# Altium PCB PCB1.PcbDoc (part 5 of 15)
Units mil, origin at the board's own origin, x right, y up, seen from the top; angles counter-clockwise.
Board outline 9210.27 x 4350.4 mil, 4 copper layers (Top Layer, Layer 1, Layer 2, Bottom Layer), stack 23.756 mil thick; 1550 components, 1731 nets, 5200 pads, 1882 vias.
Unrouted connection lines stored in the file: 605.
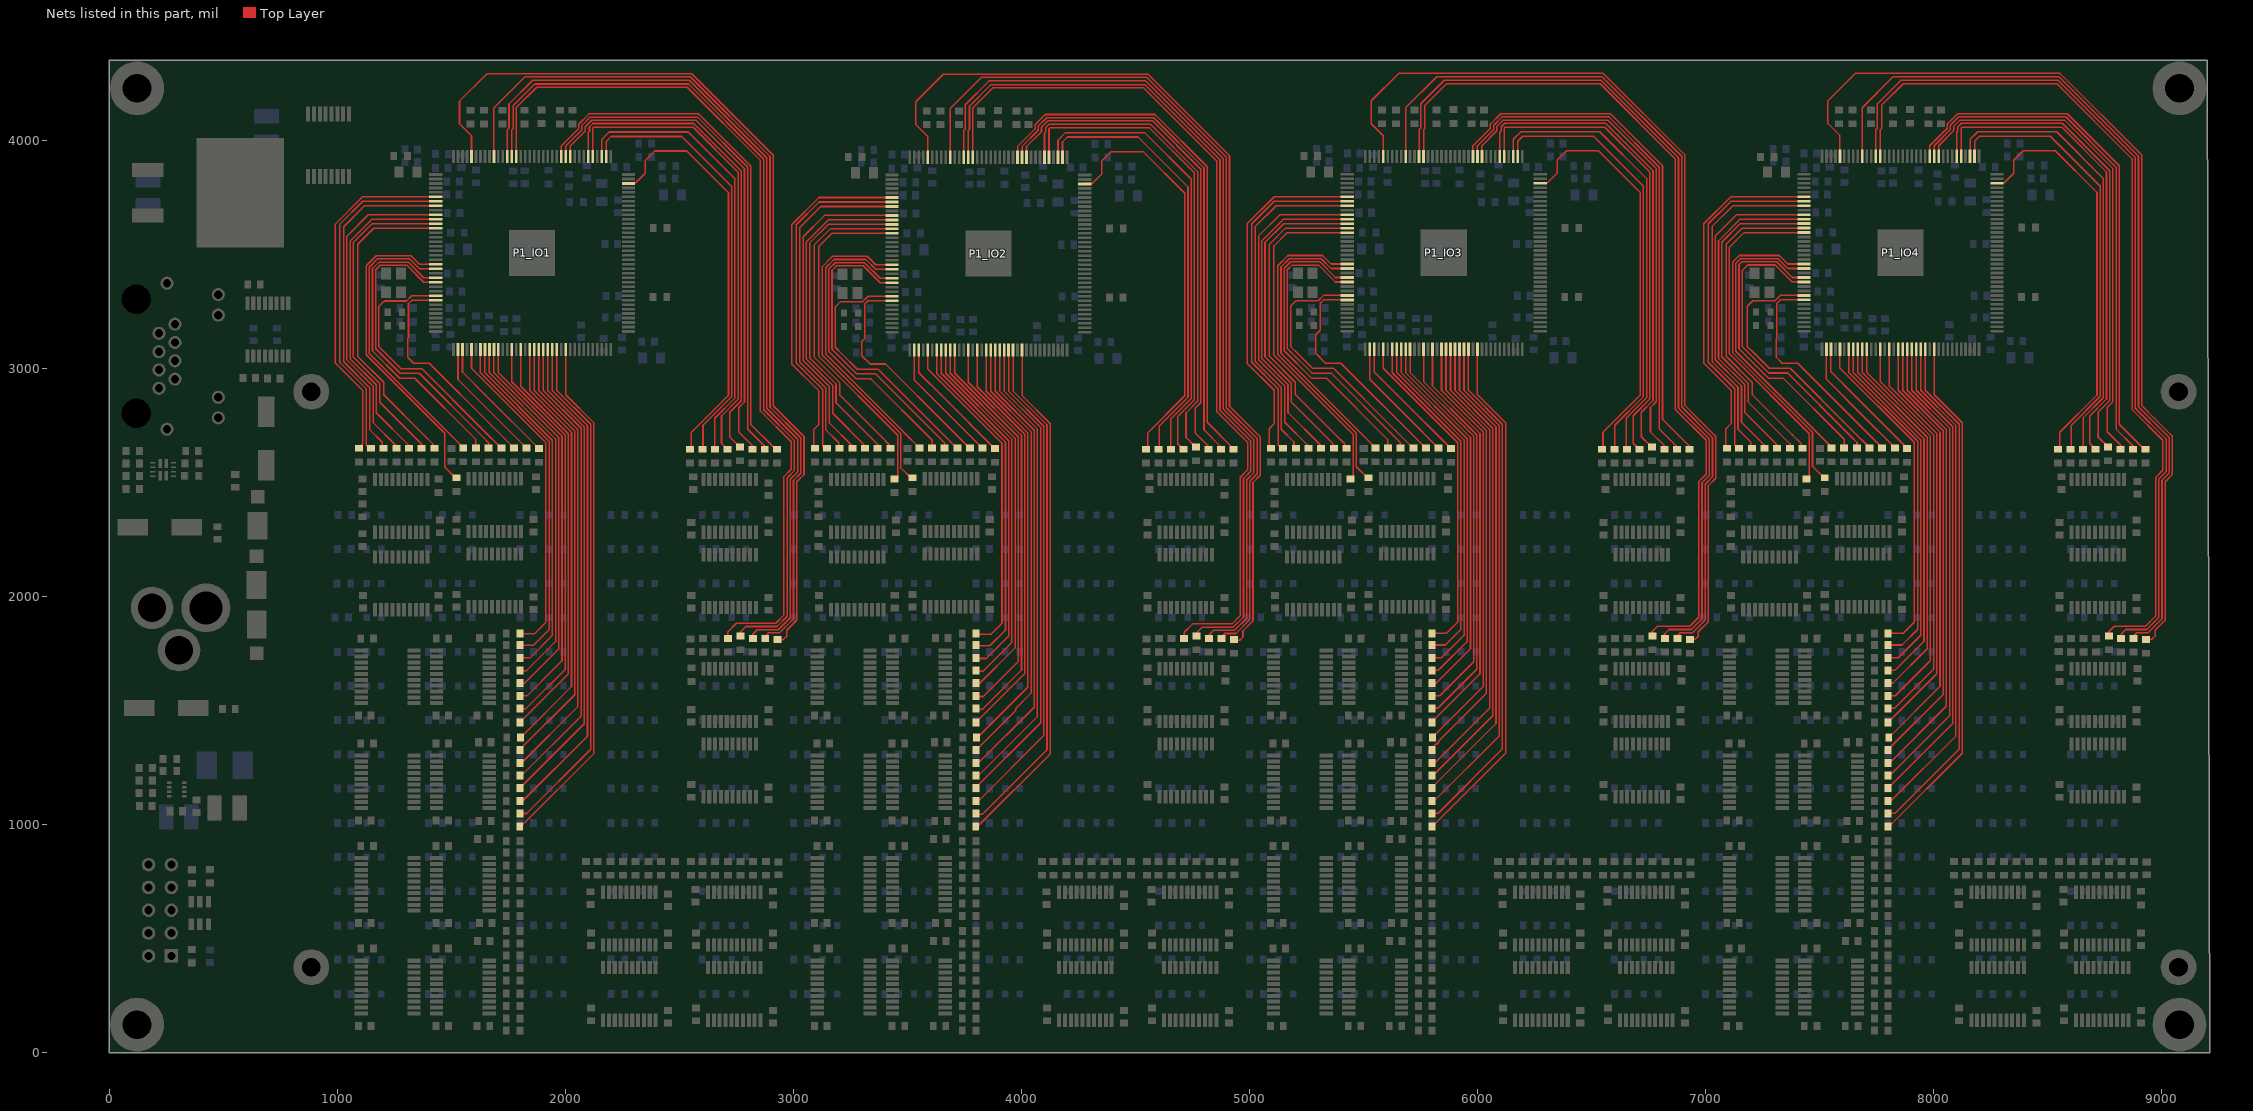
[diagram p7: the nets of this part, all layers, seen from the top]

## Via types
v1: diameter 24, hole 12, Top Layer to Bottom Layer, 1493 vias
v2: diameter 24, hole 12, Top Layer to Bottom Layer, tented both sides, 389 vias

## Nets (pads, with @x,y where several pads share a name; then routed paths per layer and width w, separated by ;. In a path a pad name is that pad's centre, name@x,y a point inside that pad or via, vN(x,y) a via of type N, cw(c..) or ccw(c..) an arc to the next point about the centre after c; other vN are vias at no path point) (continued)
GPIO_0_IO2: P1_IO2.14 R47_U_LED_BUFFER12.2 | length 1532.3
  Top Layer w7: P1_IO2.14@3432.44,3592.09 3169.26,3592.09 3110.51,3533.34 3110.51,3054.48 3457.73,2707.25 3457.73,2529.17 R47_U_LED_BUFFER12.2@3443.9,2515.34 ; R47_U_LED_BUFFER12.2@3445,2512.74 R47_U_LED_BUFFER12.2@3458.06,2525.79
GPIO_0_IO3: P1_IO3.14 R47_U_LED_BUFFER13.2 | length 1515.9
  Top Layer w7: P1_IO3.14@5429.34,3595.54 5166.16,3595.54 5107.41,3536.79 5107.41,3057.93 5454.52,2710.81 5454.52,2525.96 R47_U_LED_BUFFER13.2@5443.9,2515.34
GPIO_0_IO4: P1_IO4.14 R47_U_LED_BUFFER14.2 | length 1520.2
  Top Layer w7: P1_IO4.14@7432.34,3595.69 7169.16,3595.69 7104.72,3531.26 7104.72,3063.76 7455.31,2713.18 7455.31,2526.74 R47_U_LED_BUFFER14.2@7443.9,2515.34
GPIO_1_IO1: P1_IO1.13 R48_U_LED_BUFFER11.2 | length 1404.3
  Top Layer w7: R48_U_LED_BUFFER11.2@1419.52,2647.16 1419.52,2668.28 1380.63,2707.16 1203.15,2884.64 1203.15,2938.87 1089.72,3052.3 1089.72,3544.1 1160,3614.38 P1_IO1.13@1431.34,3614.38
GPIO_1_IO2: P1_IO2.13 R48_U_LED_BUFFER12.2 | length 1404.3
  Top Layer w7: R48_U_LED_BUFFER12.2@3420.62,2644.56 3420.62,2665.68 3381.73,2704.56 3204.25,2882.04 3204.25,2936.27 3090.82,3049.7 3090.82,3541.5 3161.1,3611.78 P1_IO2.13@3432.44,3611.78
GPIO_1_IO3: P1_IO3.13 R48_U_LED_BUFFER13.2 | length 1404.3
  Top Layer w7: R48_U_LED_BUFFER13.2@5417.52,2648.01 5417.52,2669.13 5378.63,2708.01 5201.15,2885.49 5201.15,2939.72 5087.72,3053.15 5087.72,3544.95 5158,3615.23 P1_IO3.13@5429.34,3615.23
GPIO_1_IO4: P1_IO4.13 R48_U_LED_BUFFER14.2 | length 1404.3
  Top Layer w7: R48_U_LED_BUFFER14.2@7420.52,2648.16 7420.52,2669.28 7381.63,2708.16 7204.15,2885.64 7204.15,2939.87 7090.72,3053.3 7090.72,3545.1 7161,3615.38 P1_IO4.13@7432.34,3615.38
GPIO_2_IO1: P1_IO1.12 R49_U_LED_BUFFER11.2 | length 1421.8
  Top Layer w7: R49_U_LED_BUFFER11.2@1369.95,2649.83 1369.95,2667.28 1185.68,2851.55 1185.68,2934.03 1070.04,3049.66 1070.04,3552.25 1151.85,3634.06 P1_IO1.12@1431.34,3634.06
GPIO_2_IO2: P1_IO2.12 R49_U_LED_BUFFER12.2 | length 1421.8
  Top Layer w7: R49_U_LED_BUFFER12.2@3371.05,2647.23 3371.05,2664.68 3186.78,2848.95 3186.78,2931.43 3071.14,3047.07 3071.14,3549.65 3152.95,3631.46 P1_IO2.12@3432.44,3631.46
GPIO_2_IO3: P1_IO3.12 R49_U_LED_BUFFER13.2 | length 1421.8
  Top Layer w7: R49_U_LED_BUFFER13.2@5367.95,2650.68 5367.95,2668.13 5183.68,2852.4 5183.68,2934.88 5068.04,3050.51 5068.04,3553.1 5149.85,3634.91 P1_IO3.12@5429.34,3634.91
GPIO_2_IO4: P1_IO4.12 R49_U_LED_BUFFER14.2 | length 1421.8
  Top Layer w7: R49_U_LED_BUFFER14.2@7370.95,2650.83 7370.95,2668.28 7186.68,2852.55 7186.68,2935.03 7071.04,3050.66 7071.04,3553.25 7152.85,3635.06 P1_IO4.12@7432.34,3635.06
GPIO_3_IO1: P1_IO1.11 R50_U_LED_BUFFER11.2 | length 1430.2
  Top Layer w7: R50_U_LED_BUFFER11.2@1314.4,2649.83 1314.4,2662.27 1170.98,2805.69 1170.98,2927.94 1056.04,3042.88 1056.04,3558.05 1151.74,3653.75 P1_IO1.11@1431.34,3653.75
GPIO_3_IO2: P1_IO2.11 R50_U_LED_BUFFER12.2 | length 1430.2
  Top Layer w7: R50_U_LED_BUFFER12.2@3315.5,2647.23 3315.5,2659.67 3172.08,2803.09 3172.08,2925.34 3057.14,3040.28 3057.14,3555.45 3152.84,3651.15 P1_IO2.11@3432.44,3651.15
GPIO_3_IO3: P1_IO3.11 R50_U_LED_BUFFER13.2 | length 1430.2
  Top Layer w7: R50_U_LED_BUFFER13.2@5312.4,2650.68 5312.4,2663.12 5168.98,2806.54 5168.98,2928.79 5054.04,3043.73 5054.04,3558.9 5149.74,3654.6 P1_IO3.11@5429.34,3654.6
GPIO_3_IO4: P1_IO4.11 R50_U_LED_BUFFER14.2 | length 1430.2
  Top Layer w7: R50_U_LED_BUFFER14.2@7315.4,2650.83 7315.4,2663.27 7171.98,2806.69 7171.98,2928.94 7057.04,3043.88 7057.04,3559.05 7152.74,3654.75 P1_IO4.11@7432.34,3654.75
GPIO_4_IO1: P1_IO1.10 R51_U_LED_BUFFER11.2 | length 1447.9
  Top Layer w7: R51_U_LED_BUFFER11.2@1258.84,2649.83 1258.84,2661.03 1156.98,2762.89 1156.98,2922.14 1042.04,3037.08 1042.04,3579.93 1135.54,3673.43 P1_IO1.10@1431.34,3673.43
GPIO_4_IO2: P1_IO2.10 R51_U_LED_BUFFER12.2 | length 1447.9
  Top Layer w7: R51_U_LED_BUFFER12.2@3259.94,2647.23 3259.94,2658.43 3158.08,2760.29 3158.08,2919.54 3043.14,3034.48 3043.14,3577.33 3136.64,3670.83 P1_IO2.10@3432.44,3670.83
GPIO_4_IO3: P1_IO3.10 R51_U_LED_BUFFER13.2 | length 1447.9
  Top Layer w7: R51_U_LED_BUFFER13.2@5256.84,2650.68 5256.84,2661.88 5154.98,2763.74 5154.98,2922.99 5040.04,3037.93 5040.04,3580.78 5133.54,3674.28 P1_IO3.10@5429.34,3674.28
GPIO_4_IO4: P1_IO4.10 R51_U_LED_BUFFER14.2 | length 1447.9
  Top Layer w7: R51_U_LED_BUFFER14.2@7259.84,2650.83 7259.84,2662.03 7157.98,2763.89 7157.98,2923.14 7043.04,3038.08 7043.04,3580.93 7136.54,3674.43 P1_IO4.10@7432.34,3674.43
GPIO_5_IO1: P1_IO1.8 R52_U_LED_BUFFER11.2 | length 1485.9
  Top Layer w7: R52_U_LED_BUFFER11.2@1197.3,2647.16 1197.3,2676.73 1141.59,2732.44 1141.59,2915.76 1027.72,3029.63 1027.72,3621.29 1119.23,3712.8 P1_IO1.8@1431.34,3712.8
GPIO_5_IO2: P1_IO2.8 R52_U_LED_BUFFER12.2 | length 1485.9
  Top Layer w7: R52_U_LED_BUFFER12.2@3198.4,2644.56 3198.4,2674.13 3142.69,2729.84 3142.69,2913.16 3028.82,3027.03 3028.82,3618.69 3120.33,3710.2 P1_IO2.8@3432.44,3710.2
GPIO_5_IO3: P1_IO3.8 R52_U_LED_BUFFER13.2 | length 1485.9
  Top Layer w7: R52_U_LED_BUFFER13.2@5195.3,2648.01 5195.3,2677.58 5139.59,2733.29 5139.59,2916.61 5025.72,3030.48 5025.72,3622.13 5117.23,3713.65 P1_IO3.8@5429.34,3713.65
GPIO_5_IO4: P1_IO4.8 R52_U_LED_BUFFER14.2 | length 1485.9
  Top Layer w7: R52_U_LED_BUFFER14.2@7198.3,2648.16 7198.3,2677.73 7142.59,2733.44 7142.59,2916.76 7028.72,3030.63 7028.72,3622.29 7120.23,3713.8 P1_IO4.8@7432.34,3713.8
GPIO_6_IO1: P1_IO1.7 R53_U_LED_BUFFER11.2 | length 1500.8
  Top Layer w7: R53_U_LED_BUFFER11.2@1141.74,2647.16 1127.59,2661.32 1127.59,2909.97 1011.51,3026.04 1011.51,3632.92 1111.08,3732.49 P1_IO1.7@1431.34,3732.49
GPIO_6_IO2: P1_IO2.7 R53_U_LED_BUFFER12.2 | length 1500.8
  Top Layer w7: R53_U_LED_BUFFER12.2@3142.84,2644.56 3128.69,2658.72 3128.69,2907.37 3012.61,3023.44 3012.61,3630.32 3112.18,3729.89 P1_IO2.7@3432.44,3729.89
GPIO_6_IO3: P1_IO3.7 R53_U_LED_BUFFER13.2 | length 1500.8
  Top Layer w7: R53_U_LED_BUFFER13.2@5139.74,2648.01 5125.59,2662.17 5125.59,2910.82 5009.51,3026.89 5009.51,3633.77 5109.08,3733.34 P1_IO3.7@5429.34,3733.34
GPIO_6_IO4: P1_IO4.7 R53_U_LED_BUFFER14.2 | length 1500.8
  Top Layer w7: R53_U_LED_BUFFER14.2@7142.74,2648.16 7128.59,2662.32 7128.59,2910.97 7012.51,3027.04 7012.51,3633.92 7112.08,3733.49 P1_IO4.7@7432.34,3733.49
GPIO_7_IO1: P1_IO1.6 R54_U_LED_BUFFER11.2 | length 1533.3
  Top Layer w7: R54_U_LED_BUFFER11.2@1088.61,2647.3 1111,2669.69 1111,2903.1 991.76,3022.33 991.76,3632.97 1110.97,3752.17 P1_IO1.6@1431.34,3752.17
GPIO_7_IO2: P1_IO2.6 R54_U_LED_BUFFER12.2 | length 1533.3
  Top Layer w7: R54_U_LED_BUFFER12.2@3089.71,2644.7 3089.71,2732.18 3112.1,2754.56 3112.1,2900.5 2992.86,3019.73 2992.86,3630.37 3112.07,3749.57 P1_IO2.6@3432.44,3749.57
GPIO_7_IO3: P1_IO3.6 R54_U_LED_BUFFER13.2 | length 1533.3
  Top Layer w7: R54_U_LED_BUFFER13.2@5086.61,2648.15 5086.61,2735.63 5109,2758.01 5109,2903.95 4989.76,3023.18 4989.76,3633.82 5108.97,3753.02 P1_IO3.6@5429.34,3753.02
GPIO_7_IO4: P1_IO4.6 R54_U_LED_BUFFER14.2 | length 1533.3
  Top Layer w7: R54_U_LED_BUFFER14.2@7089.61,2648.3 7089.61,2735.78 7112,2758.16 7112,2904.1 6992.76,3023.33 6992.76,3633.97 7111.97,3753.17 P1_IO4.6@7432.34,3753.17
GPIO_8_IO1: P1_IO1.39 R47_U_LED_BUFFER21.2 | length 573.8
  Top Layer w7: P1_IO1.39@1548.98,3083.35 1548.98,2983.76 1655.57,2877.16 R47_U_LED_BUFFER21.2@1884.27,2648.47
GPIO_8_IO2: P1_IO2.39 R47_U_LED_BUFFER22.2 | length 573.8
  Top Layer w7: P1_IO2.39@3550.08,3080.75 3550.08,2981.16 3656.67,2874.56 R47_U_LED_BUFFER22.2@3885.37,2645.87
GPIO_8_IO3: P1_IO3.39 R47_U_LED_BUFFER23.2 | length 573.8
  Top Layer w7: P1_IO3.39@5546.98,3084.2 5546.98,2984.61 5653.57,2878.01 R47_U_LED_BUFFER23.2@5882.27,2649.32
GPIO_8_IO4: P1_IO4.39 R47_U_LED_BUFFER24.2 | length 573.8
  Top Layer w7: P1_IO4.39@7549.98,3084.35 7549.98,2984.76 7656.57,2878.16 R47_U_LED_BUFFER24.2@7885.27,2649.47
GPIO_9_IO1: P1_IO1.38 R48_U_LED_BUFFER21.2 | length 557.5
  Top Layer w7: P1_IO1.38@1529.29,3083.35 1529.29,2951.33 1693.46,2787.16 R48_U_LED_BUFFER21.2@1830.12,2650.5
GPIO_9_IO2: P1_IO2.38 R48_U_LED_BUFFER22.2 | length 557.5
  Top Layer w7: P1_IO2.38@3530.39,3080.75 3530.39,2948.73 3694.56,2784.56 R48_U_LED_BUFFER22.2@3831.22,2647.9
GPIO_9_IO3: P1_IO3.38 R48_U_LED_BUFFER23.2 | length 557.5
  Top Layer w7: P1_IO3.38@5527.29,3084.2 5527.29,2952.17 5691.46,2788.01 R48_U_LED_BUFFER23.2@5828.12,2651.35
GPIO_9_IO4: P1_IO4.38 R48_U_LED_BUFFER24.2 | length 557.5
  Top Layer w7: P1_IO4.38@7530.29,3084.35 7530.29,2952.33 7694.46,2788.16 R48_U_LED_BUFFER24.2@7831.12,2651.5
GPIO_10_IO1: P1_IO1.29 R49_U_LED_BUFFER21.2 | length 993.4
  Top Layer w7: P1_IO1.29@1431.34,3299.42 1327.09,3299.42 1312.26,3284.59 1312.26,3133.62 1308.43,3129.79 1308.43,3111.15 1308.43,3049.37 1335.73,3022.06 1403,3022.06 1677.9,2747.16 R49_U_LED_BUFFER21.2@1774.56,2650.5
GPIO_10_IO2: P1_IO2.29 R49_U_LED_BUFFER22.2 | length 1000.9
  Top Layer w7: P1_IO2.29@3432.44,3296.82 3328.19,3296.82 3313.36,3281.99 3313.36,3131.02 3300.43,3118.09 3300.43,3055.86 3336.83,3019.46 3404.1,3019.46 3679,2744.56 R49_U_LED_BUFFER22.2@3775.66,2647.9
GPIO_10_IO3: P1_IO3.29 R49_U_LED_BUFFER23.2 | length 1006.5
  Top Layer w7: P1_IO3.29@5429.34,3300.27 5325.09,3300.27 5310.26,3285.44 5310.26,3166.8 5290.63,3147.17 5290.63,3066.02 5333.73,3022.91 5401,3022.91 R49_U_LED_BUFFER23.2@5772.56,2651.35
GPIO_10_IO4: P1_IO4.29 R49_U_LED_BUFFER24.2 | length 993.4
  Top Layer w7: P1_IO4.29@7432.34,3300.42 7328.09,3300.42 7313.26,3285.59 7313.26,3134.62 7309.43,3130.79 7309.43,3112.15 7309.43,3050.37 7336.73,3023.06 7404,3023.06 7678.9,2748.16 R49_U_LED_BUFFER24.2@7775.56,2651.5
GPIO_11_IO1: P1_IO1.28 R50_U_LED_BUFFER21.2 | length 1166
  Top Layer w7: P1_IO1.28@1431.34,3319.1 1326.98,3319.1 1303.41,3295.53 1205.92,3295.53 1182.35,3271.96 1182.35,3095.44 1214.6,3063.2 1278.43,2999.37 1370.14,2999.37 1642.34,2727.16 R50_U_LED_BUFFER21.2@1719.01,2650.5
GPIO_11_IO2: P1_IO2.28 R50_U_LED_BUFFER22.2 | length 1166
  Top Layer w7: P1_IO2.28@3432.44,3316.5 3328.08,3316.5 3304.51,3292.93 3207.02,3292.93 3183.45,3269.36 3183.45,3092.84 3215.7,3060.6 3279.53,2996.77 3371.24,2996.77 3643.44,2724.56 R50_U_LED_BUFFER22.2@3720.1,2647.9
GPIO_11_IO3: P1_IO3.28 R50_U_LED_BUFFER23.2 | length 1166
  Top Layer w7: P1_IO3.28@5429.34,3319.95 5324.98,3319.95 5301.41,3296.38 5203.92,3296.38 5180.35,3272.81 5180.35,3096.29 5212.6,3064.05 5276.43,3000.22 5368.14,3000.22 5640.34,2728.01 R50_U_LED_BUFFER23.2@5717,2651.35
GPIO_11_IO4: P1_IO4.28 R50_U_LED_BUFFER24.2 | length 1166
  Top Layer w7: P1_IO4.28@7432.34,3320.1 7327.98,3320.1 7304.41,3296.53 7206.92,3296.53 7183.35,3272.96 7183.35,3096.44 7215.6,3064.2 7279.43,3000.37 7371.14,3000.37 7643.34,2728.16 R50_U_LED_BUFFER24.2@7720,2651.5
GPIO_12_IO1: P1_IO1.25 R51_U_LED_BUFFER21.2 | length 1337.5
  Top Layer w7: P1_IO1.25@1431.34,3378.16 1379.45,3378.16 1305.31,3452.29 1188.35,3452.29 1168.35,3432.3 1168.35,3086.45 1276.17,2978.64 1359.16,2978.64 1640.63,2697.16 1663.45,2674.35 R51_U_LED_BUFFER21.2@1663.45,2650.5
GPIO_12_IO2: P1_IO2.25 R51_U_LED_BUFFER22.2 | length 1337.5
  Top Layer w7: P1_IO2.25@3432.44,3375.56 3380.55,3375.56 3306.41,3449.69 3189.45,3449.69 3169.45,3429.7 3169.45,3083.85 3277.27,2976.04 3360.26,2976.04 3641.73,2694.56 3664.55,2671.75 R51_U_LED_BUFFER22.2@3664.55,2647.9
GPIO_12_IO3: P1_IO3.25 R51_U_LED_BUFFER23.2 | length 1337.5
  Top Layer w7: P1_IO3.25@5429.34,3379.01 5377.45,3379.01 5303.31,3453.14 5186.35,3453.14 5166.35,3433.15 5166.35,3087.3 5274.17,2979.49 5357.16,2979.49 5638.63,2698.01 5661.45,2675.2 R51_U_LED_BUFFER23.2@5661.45,2651.35
GPIO_12_IO4: P1_IO4.25 R51_U_LED_BUFFER24.2 | length 1347.2
  Top Layer w7: P1_IO4.25@7432.34,3379.16 7380.45,3379.16 7306.31,3453.29 7184.86,3453.29 7160.72,3429.16 7160.72,3096.08 7277.17,2979.64 7360.16,2979.64 7641.63,2698.16 7664.45,2675.35 R51_U_LED_BUFFER24.2@7664.45,2651.5
GPIO_13_IO1: P1_IO1.24 R52_U_LED_BUFFER21.2 | length 1330.4
  Top Layer w7: P1_IO1.24@1431.34,3397.84 1379.56,3397.84 1311.11,3466.29 1182.55,3466.29 1154.35,3438.1 1154.35,3076.62 1274.36,2956.61 1339.15,2956.61 1607.89,2687.86 R52_U_LED_BUFFER21.2@1607.89,2650.5
GPIO_13_IO2: P1_IO2.24 R52_U_LED_BUFFER22.2 | length 1330.4
  Top Layer w7: P1_IO2.24@3432.44,3395.24 3380.66,3395.24 3312.21,3463.69 3183.65,3463.69 3155.45,3435.5 3155.45,3074.02 3275.46,2954.01 3340.25,2954.01 3608.99,2685.26 R52_U_LED_BUFFER22.2@3608.99,2647.9
GPIO_13_IO3: P1_IO3.24 R52_U_LED_BUFFER23.2 | length 1330.4
  Top Layer w7: P1_IO3.24@5429.34,3398.69 5377.56,3398.69 5309.11,3467.14 5180.55,3467.14 5152.35,3438.95 5152.35,3077.47 5272.36,2957.46 5337.15,2957.46 5605.89,2688.71 R52_U_LED_BUFFER23.2@5605.89,2651.35
GPIO_13_IO4: P1_IO4.24 R52_U_LED_BUFFER24.2 | length 1351.6
  Top Layer w7: P1_IO4.24@7432.34,3398.84 7380.56,3398.84 7312.11,3467.29 7159.55,3467.29 7146.72,3454.46 7146.72,3086.25 7275.36,2957.61 7340.15,2957.61 7608.89,2688.86 R52_U_LED_BUFFER24.2@7608.89,2651.5
GPIO_14_IO1: P1_IO1.22 R53_U_LED_BUFFER21.2 | length 1288
  Top Layer w7: P1_IO1.22@1431.34,3437.21 1359.99,3437.21 1316.91,3480.29 1176.75,3480.29 1140.35,3443.9 1140.35,3065.73 1484.63,2721.46 1484.63,2720.88 1552.34,2653.17 R53_U_LED_BUFFER21.2@1552.34,2650.5
GPIO_14_IO2: P1_IO2.22 R53_U_LED_BUFFER22.2 | length 1288
  Top Layer w7: P1_IO2.22@3432.44,3434.61 3361.09,3434.61 3318.01,3477.69 3177.85,3477.69 3141.45,3441.3 3141.45,3063.13 3485.73,2718.86 3485.73,2718.28 3553.44,2650.57 R53_U_LED_BUFFER22.2@3553.44,2647.9
GPIO_14_IO3: P1_IO3.22 R53_U_LED_BUFFER23.2 | length 1288
  Top Layer w7: P1_IO3.22@5429.34,3438.06 5357.99,3438.06 5314.91,3481.14 5174.75,3481.14 5138.35,3444.75 5138.35,3066.58 5482.63,2722.31 5482.63,2721.73 5550.34,2654.02 R53_U_LED_BUFFER23.2@5550.34,2651.35
GPIO_14_IO4: P1_IO4.22 R53_U_LED_BUFFER24.2 | length 1309.2
  Top Layer w7: P1_IO4.22@7432.34,3438.21 7360.99,3438.21 7317.91,3481.29 7153.76,3481.29 7132.72,3460.26 7132.72,3075.36 7485.63,2722.46 7485.63,2721.88 7553.34,2654.17 R53_U_LED_BUFFER24.2@7553.34,2651.5
GPIO_15_IO1: P1_IO1.21 R54_U_LED_BUFFER21.2 | length 1435.7
  Top Layer w7: P1_IO1.21@1431.34,3456.9 1360.11,3456.9 1322.71,3494.29 1170.95,3494.29 1126.35,3449.7 1126.35,3059.93 1470.63,2715.66 1470.63,2567.16 1517.29,2520.5 R54_U_LED_BUFFER21.2@1522.87,2520.5
GPIO_15_IO2: P1_IO2.21 R54_U_LED_BUFFER22.2 | length 1434.3
  Top Layer w7: P1_IO2.21@3432.44,3454.3 3361.21,3454.3 3323.81,3491.69 3172.05,3491.69 3127.45,3447.1 3127.45,3057.33 3471.73,2713.06 3471.73,2563.11 3514.33,2520.5 R54_U_LED_BUFFER22.2@3522.87,2520.5
GPIO_15_IO3: P1_IO3.21 R54_U_LED_BUFFER23.2 | length 1507.2
  Top Layer w7: P1_IO3.21@5429.34,3457.75 5358.11,3457.75 5320.71,3495.14 5168.95,3495.14 5124.35,3450.55 5124.35,3060.78 5468.63,2716.51 5468.63,2568.01 5515.29,2521.35 R54_U_LED_BUFFER23.2@5520.87,2521.35 ; 5470.63,2567.16 5517.29,2520.5 R54_U_LED_BUFFER23.2@5522.87,2520.5
GPIO_15_IO4: P1_IO4.21 R54_U_LED_BUFFER24.2 | length 1456.9
  Top Layer w7: P1_IO4.21@7432.34,3457.9 7361.11,3457.9 7323.71,3495.29 7147.96,3495.29 7118.72,3466.06 7118.72,3069.56 7468.8,2719.49 ; 7468.8,2719.49 7469.31,2718.97 7469.31,2570.49 7518.29,2521.5 R54_U_LED_BUFFER24.2@7523.87,2521.5
GPIO_16_IO1: P1_IO1.120 R47_U_LED_BUFFER31.2 | length 2326.8
  Top Layer w7: P1_IO1.120@1982.05,3928.87 1982.05,3975.74 2058.83,4052.52 2058.83,4071.24 2103.64,4116.05 2585.02,4116.05 2813.58,3887.5 2813.58,2754.22 R47_U_LED_BUFFER31.2@2920.63,2647.16
GPIO_16_IO2: P1_IO2.120 R47_U_LED_BUFFER32.2 | length 2328.7
  Top Layer w7: P1_IO2.120@3983.15,3926.27 3983.15,3973.14 4059.93,4049.92 4059.93,4068.64 4104.74,4113.45 4586.12,4113.45 4814.68,3884.9 4814.68,2763.69 4929.2,2649.17 R47_U_LED_BUFFER32.2@4929.2,2645.79
GPIO_16_IO3: P1_IO3.120 R47_U_LED_BUFFER33.2 | length 2333.4
  Top Layer w7: P1_IO3.120@5980.05,3929.72 5980.05,3976.59 6056.83,4053.37 6056.83,4072.09 6101.64,4116.9 6583.02,4116.9 6811.58,3888.35 6811.58,2777.08 6929.2,2659.46 R47_U_LED_BUFFER33.2@6929.2,2645.79
GPIO_16_IO4: P1_IO4.120 R47_U_LED_BUFFER34.2 | length 2326.8
  Top Layer w7: P1_IO4.120@7983.05,3929.87 7983.05,3976.74 8059.83,4053.52 8059.83,4072.24 8104.64,4117.05 8586.02,4117.05 8814.58,3888.5 8814.58,2755.22 R47_U_LED_BUFFER34.2@8921.63,2648.16
GPIO_17_IO1: P1_IO1.119 R48_U_LED_BUFFER31.2 | length 2266.2
  Top Layer w7: P1_IO1.119@2001.74,3928.87 2001.74,3975.62 2072.83,4046.72 2072.83,4065.45 2109.44,4102.05 2579.22,4102.05 2799.58,3881.7 2799.58,2733.02 2874.49,2658.11 R48_U_LED_BUFFER31.2@2874.49,2645.79
GPIO_17_IO2: P1_IO2.119 R48_U_LED_BUFFER32.2 | length 2278.5
  Top Layer w7: P1_IO2.119@4002.84,3926.27 4002.84,3973.02 4073.93,4044.12 4073.93,4062.85 4110.54,4099.45 4580.32,4099.45 4800.68,3879.1 4800.68,2730.42 4875.59,2655.51 R48_U_LED_BUFFER32.2@4875.59,2643.19 ; R48_U_LED_BUFFER32.2@4874.49,2645.79 R48_U_LED_BUFFER32.2@4874.49,2658.11
GPIO_17_IO3: P1_IO3.119 R48_U_LED_BUFFER33.2 | length 2278.5
  Top Layer w7: P1_IO3.119@5999.74,3929.72 5999.74,3976.47 6070.83,4047.57 6070.83,4066.3 6107.44,4102.9 6577.22,4102.9 6797.58,3882.55 6797.58,2733.87 6872.49,2658.96 R48_U_LED_BUFFER33.2@6872.49,2646.64 ; R48_U_LED_BUFFER33.2@6874.49,2645.79 R48_U_LED_BUFFER33.2@6874.49,2658.11
GPIO_17_IO4: P1_IO4.119 R48_U_LED_BUFFER34.2 | length 2278.5
  Top Layer w7: P1_IO4.119@8002.74,3929.87 8002.74,3976.62 8073.83,4047.72 8073.83,4066.45 8110.44,4103.05 8580.22,4103.05 8800.58,3882.7 8800.58,2734.02 8875.49,2659.11 R48_U_LED_BUFFER34.2@8875.49,2646.79 ; R48_U_LED_BUFFER34.2@8874.49,2645.79 R48_U_LED_BUFFER34.2@8874.49,2658.11
GPIO_18_IO1: P1_IO1.118 R49_U_LED_BUFFER31.2 | length 2208.5
  Top Layer w7: P1_IO1.118@2021.42,3928.87 2021.42,3975.51 2086.83,4040.92 2086.83,4059.65 2115.24,4088.05 2573.42,4088.05 2785.58,3875.9 2785.58,3871.81 2785.58,2852.45 2760.63,2827.5 2760.63,2720.67 R49_U_LED_BUFFER31.2@2821.92,2659.38
GPIO_18_IO2: P1_IO2.118 R49_U_LED_BUFFER32.2 | length 2208.5
  Top Layer w7: P1_IO2.118@4022.52,3926.27 4022.52,3972.91 4087.93,4038.32 4087.93,4057.05 4116.34,4085.45 4574.52,4085.45 4786.68,3873.3 4786.68,3869.21 4786.68,2849.85 4761.73,2824.9 4761.73,2718.07 R49_U_LED_BUFFER32.2@4823.02,2656.78
GPIO_18_IO3: P1_IO3.118 R49_U_LED_BUFFER33.2 | length 2208.5
  Top Layer w7: P1_IO3.118@6019.42,3929.72 6019.42,3976.36 6084.83,4041.77 6084.83,4060.5 6113.24,4088.9 6571.42,4088.9 6783.58,3876.75 6783.58,3872.66 6783.58,2853.3 6758.63,2828.35 6758.63,2721.52 R49_U_LED_BUFFER33.2@6819.92,2660.23
GPIO_18_IO4: P1_IO4.118 R49_U_LED_BUFFER34.2 | length 2208.5
  Top Layer w7: P1_IO4.118@8022.42,3929.87 8022.42,3976.51 8087.83,4041.92 8087.83,4060.65 8116.24,4089.05 8574.42,4089.05 8786.58,3876.9 8786.58,3872.81 8786.58,2853.45 8761.63,2828.5 8761.63,2721.67 R49_U_LED_BUFFER34.2@8822.92,2660.38
GPIO_19_IO1: P1_IO1.114 R50_U_LED_BUFFER31.2 | length 2141.2
  Top Layer w7: P1_IO1.114@2100.16,3928.87 2100.16,4034.45 2105.85,4040.14 2105.85,4058.86 2121.04,4074.05 2563.54,4074.05 2771.58,3866.01 2771.58,2858.25 2720.63,2807.3 2720.63,2712.16 2720.63,2699.59 R50_U_LED_BUFFER31.2@2765.25,2654.97
GPIO_19_IO2: P1_IO2.114 R50_U_LED_BUFFER32.2 | length 2216.9
  Top Layer w7: P1_IO2.114@4101.26,3926.27 4101.26,4031.85 4106.95,4037.54 4106.95,4056.26 4122.14,4071.45 4564.64,4071.45 4772.68,3863.41 4772.68,2855.65 4721.73,2804.7 4721.73,2709.56 4721.73,2696.99 R50_U_LED_BUFFER32.2@4766.35,2652.37 ; 4720.63,2712.16 4720.63,2699.59 R50_U_LED_BUFFER32.2@4765.25,2654.97
GPIO_19_IO3: P1_IO3.114 R50_U_LED_BUFFER33.2 | length 2216.9
  Top Layer w7: P1_IO3.114@6098.16,3929.72 6098.16,4035.3 6103.85,4040.98 6103.85,4059.71 6119.04,4074.9 6561.54,4074.9 6769.58,3866.86 6769.58,2859.1 6718.63,2808.15 6718.63,2713.01 6718.63,2700.43 R50_U_LED_BUFFER33.2@6763.25,2655.82 ; 6720.63,2712.16 6720.63,2699.59 R50_U_LED_BUFFER33.2@6765.25,2654.97
GPIO_19_IO4: P1_IO4.114 R50_U_LED_BUFFER34.2 | length 2216.9
  Top Layer w7: P1_IO4.114@8101.16,3929.87 8101.16,4035.45 8106.85,4041.14 8106.85,4059.86 8122.04,4075.05 8564.54,4075.05 8772.58,3867.01 8772.58,2859.25 8721.63,2808.3 8721.63,2713.16 8721.63,2700.59 R50_U_LED_BUFFER34.2@8766.25,2655.97 ; 8720.63,2712.16 8720.63,2699.59 R50_U_LED_BUFFER34.2@8765.25,2654.97
GPIO_20_IO1: P1_IO1.113 R51_U_LED_BUFFER31.2 | length 2100.5
  Top Layer w7: P1_IO1.113@2119.85,3928.87 2119.85,4053.06 2123.95,4057.17 2560.63,4057.17 2757.58,3860.21 2757.58,2880.04 2757.58,2864.72 2684.63,2791.77 2684.63,2671.51 R51_U_LED_BUFFER31.2@2710.35,2645.79
GPIO_20_IO2: P1_IO2.113 R51_U_LED_BUFFER32.2 | length 2136.9
  Top Layer w7: P1_IO2.113@4120.95,3926.27 4120.95,4050.46 4125.05,4054.57 4561.73,4054.57 4758.68,3857.61 4758.68,2877.44 4758.68,2862.12 4685.73,2789.17 4685.73,2668.91 R51_U_LED_BUFFER32.2@4711.45,2643.19 ; 4684.63,2671.51 R51_U_LED_BUFFER32.2@4710.35,2645.79
GPIO_20_IO3: P1_IO3.113 R51_U_LED_BUFFER33.2 | length 2136.9
  Top Layer w7: P1_IO3.113@6117.85,3929.72 6117.85,4053.91 6121.95,4058.01 6558.63,4058.01 6755.58,3861.06 6755.58,2880.89 6755.58,2865.57 6682.63,2792.62 6682.63,2672.35 R51_U_LED_BUFFER33.2@6708.35,2646.64 ; 6684.63,2671.51 R51_U_LED_BUFFER33.2@6710.35,2645.79